# KiCad board SP110Duo.kicad_pcb (continued)
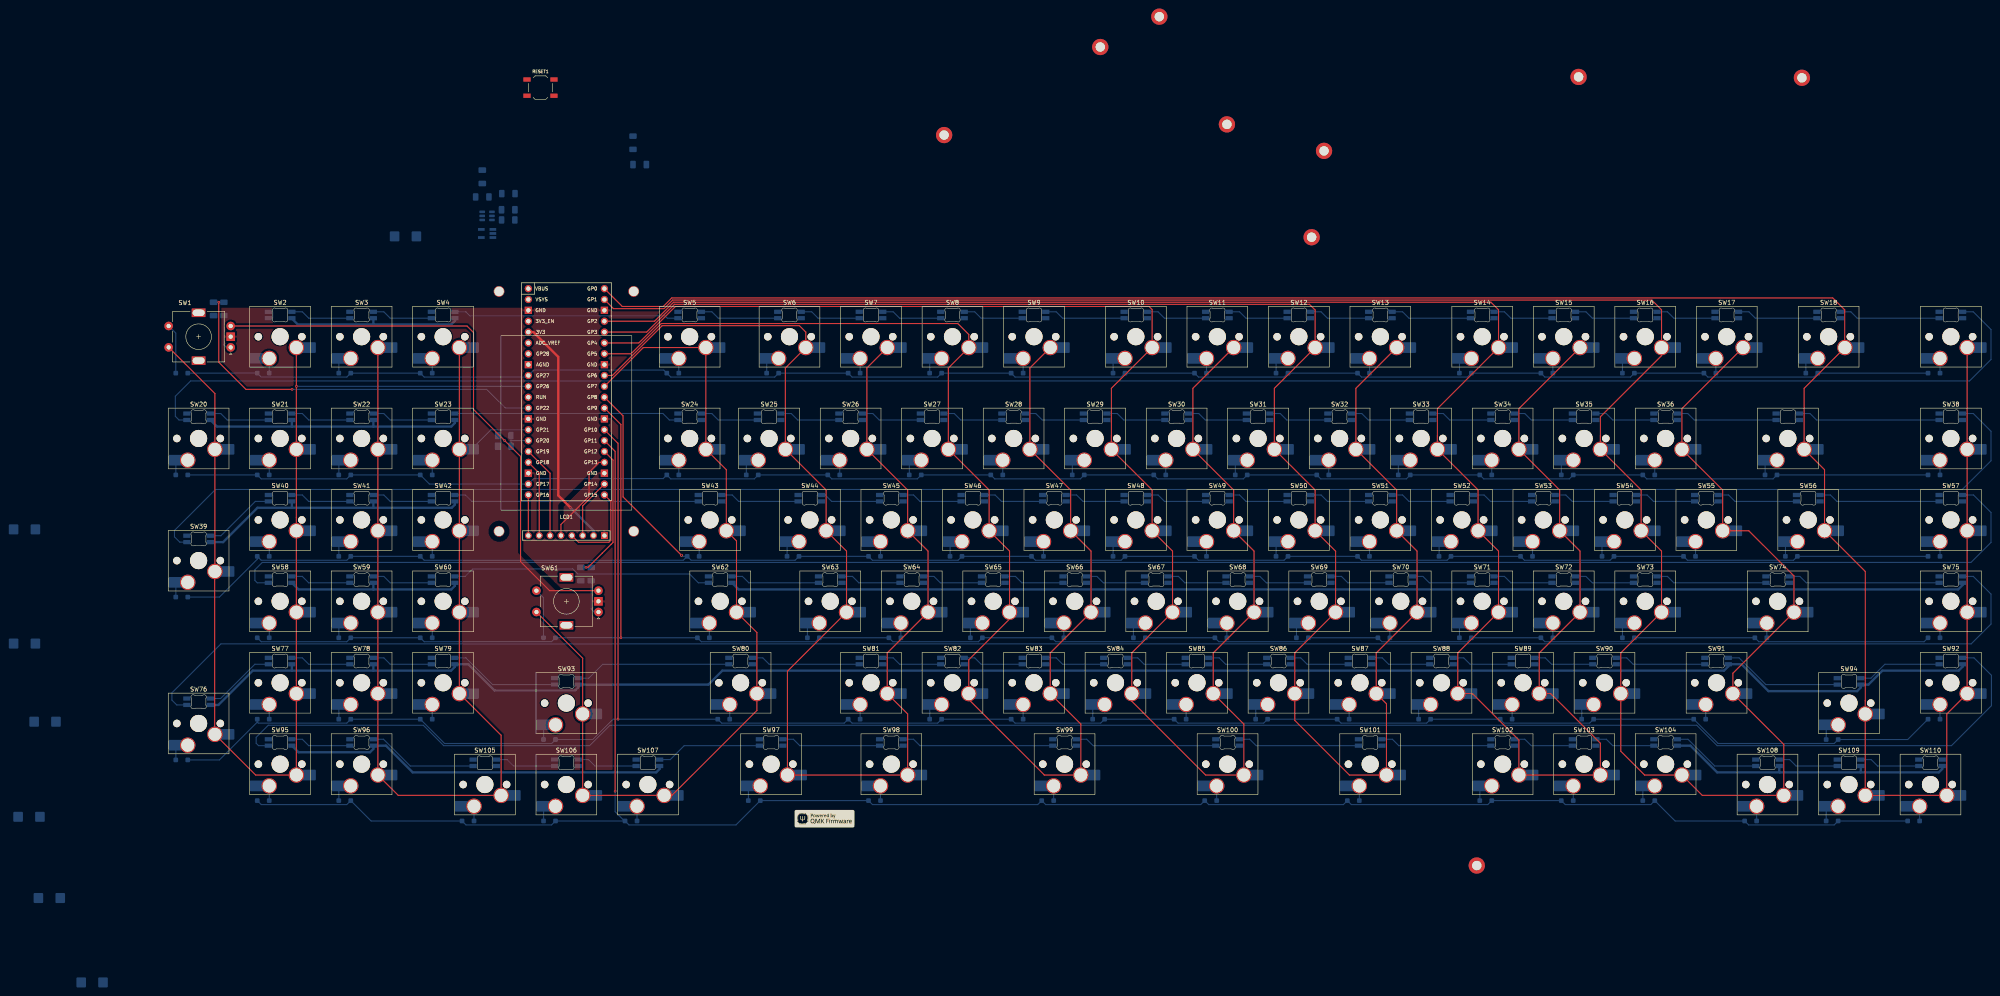
[diagram p0: board, top side]
## Nets
+3V3: LCD1.2 R7.2 U3.36
GND: C1.1 C2.1 C3.1 C4.2 C5.1 C6.1 C7.2 C8.2 C9.2 C10.2 C11.2 C12.2 C13.2 LCD1.1 R2.1 R3.2 RESET1.2 SW1.C SW2.6 SW3.6 SW4.6 SW5.6 SW6.6 SW7.6 SW8.6 SW9.6 SW10.6 SW11.6 SW12.6 SW13.6 SW14.6 SW15.6 SW16.6 SW17.6 SW18.6 SW19.6 SW20.6 SW21.6 SW22.6 SW23.6 SW24.6 SW25.6 SW26.6 SW27.6 SW28.6 SW29.6 SW30.6 SW31.6 SW32.6 SW33.6 SW34.6 SW35.6 SW36.6 SW37.6 SW38.6 SW39.6 SW40.6 SW41.6 SW42.6 SW43.6 SW44.6 SW45.6 SW46.6 SW47.6 SW48.6 SW49.6 SW50.6 SW51.6 SW52.6 SW53.6 SW54.6 SW55.6 SW56.6 SW57.6 SW58.6 SW59.6 SW60.6 SW61.C SW62.6 SW63.6 SW64.6 SW65.6 SW66.6 SW67.6 SW68.6 SW69.6 SW70.6 SW71.6 SW72.6 SW73.6 SW74.6 SW75.6 SW76.6 SW77.6 SW78.6 SW79.6 SW80.6 SW81.6 SW82.6 SW83.6 SW84.6 SW85.6 SW86.6 SW87.6 SW88.6 SW89.6 SW90.6 SW91.6 SW92.6 SW93.6 SW94.6 SW95.6 SW96.6 SW97.6 SW98.6 SW99.6 SW100.6 SW101.6 SW102.6 SW103.6 SW104.6 SW105.6 SW106.6 SW107.6 SW108.6 SW109.6 SW110.6 U1.2 U2.1 U2.3 U3.3 U3.8 U3.13 U3.18 U3.23 U3.28 U3.38
VCC: C1.2 R1.2 U1.1 U3.40
C_ILIM: R3.1 U1.5
COL0: SW1.S2 SW2.1 SW20.1 SW21.1 SW39.1 SW40.1 SW58.1 SW76.1 SW77.1 SW95.1 U3.31
COL1: SW3.1 SW4.1 SW22.1 SW23.1 SW41.1 SW42.1 SW59.1 SW60.1 SW78.1 SW79.1 SW96.1 SW105.1 U3.27
COL2: SW5.1 SW24.1 SW43.1 SW61.S2 SW62.1 SW80.1 SW93.1 SW106.1 SW107.1 U3.10
COL3: SW6.1 SW7.1 SW25.1 SW26.1 SW44.1 SW45.1 SW63.1 SW64.1 SW81.1 SW97.1 SW98.1 U3.9
COL4: SW8.1 SW9.1 SW27.1 SW28.1 SW46.1 SW47.1 SW65.1 SW66.1 SW82.1 SW83.1 SW99.1 U3.7
COL5: SW10.1 SW11.1 SW29.1 SW30.1 SW48.1 SW49.1 SW67.1 SW68.1 SW84.1 SW85.1 SW100.1 U3.6
COL6: SW12.1 SW13.1 SW31.1 SW32.1 SW50.1 SW51.1 SW69.1 SW70.1 SW86.1 SW87.1 SW101.1 U3.5
COL7: SW14.1 SW15.1 SW33.1 SW34.1 SW52.1 SW53.1 SW71.1 SW72.1 SW88.1 SW89.1 SW102.1 SW103.1 U3.4
COL8: SW16.1 SW17.1 SW35.1 SW36.1 SW54.1 SW55.1 SW73.1 SW74.1 SW90.1 SW91.1 SW104.1 SW108.1 U3.2
COL9: SW18.1 SW19.1 SW37.1 SW38.1 SW56.1 SW57.1 SW75.1 SW92.1 SW94.1 SW109.1 SW110.1 U3.1
ENC1_A: C3.2 R4.1 U3.29
ENC2_A: C5.2 R6.1 U3.16
ENC_B: C4.1 R5.1 U3.26
LCD_BL_PWM: LCD1.8 U3.21
LCD_CS: LCD1.7 U3.24
LCD_DC: LCD1.6 U3.25
LCD_MOSI/SDA: LCD1.4 U3.20
LCD_RESET: LCD1.5 U3.17
LCD_SCK/SCL: LCD1.3 U3.19
LED_DAT_3V3: U2.2 U3.34
LED_DAT_5V: SW2.5 U2.4
LED_EN: C6.2 R2.2 R7.1 U1.3
LED_NFAULT: R1.1 U1.4
LED_PWR: C2.2 C7.1 C8.1 C9.1 C10.1 C11.1 C12.1 C13.1 SW2.3 SW3.3 SW4.3 SW5.3 SW6.3 SW7.3 SW8.3 SW9.3 SW10.3 SW11.3 SW12.3 SW13.3 SW14.3 SW15.3 SW16.3 SW17.3 SW18.3 SW19.3 SW20.3 SW21.3 SW22.3 SW23.3 SW24.3 SW25.3 SW26.3 SW27.3 SW28.3 SW29.3 SW30.3 SW31.3 SW32.3 SW33.3 SW34.3 SW35.3 SW36.3 SW37.3 SW38.3 SW39.3 SW40.3 SW41.3 SW42.3 SW43.3 SW44.3 SW45.3 SW46.3 SW47.3 SW48.3 SW49.3 SW50.3 SW51.3 SW52.3 SW53.3 SW54.3 SW55.3 SW56.3 SW57.3 SW58.3 SW59.3 SW60.3 SW62.3 SW63.3 SW64.3 SW65.3 SW66.3 SW67.3 SW68.3 SW69.3 SW70.3 SW71.3 SW72.3 SW73.3 SW74.3 SW75.3 SW76.3 SW77.3 SW78.3 SW79.3 SW80.3 SW81.3 SW82.3 SW83.3 SW84.3 SW85.3 SW86.3 SW87.3 SW88.3 SW89.3 SW90.3 SW91.3 SW92.3 SW93.3 SW94.3 SW95.3 SW96.3 SW97.3 SW98.3 SW99.3 SW100.3 SW101.3 SW102.3 SW103.3 SW104.3 SW105.3 SW106.3 SW107.3 SW108.3 SW109.3 SW110.3 U1.6 U2.5
RESET: RESET1.1 U3.30
ROT1_A: R4.2 SW1.A
ROT2_A: R6.2 SW61.A
ROT_B: R5.2 SW1.B SW61.B
ROW0: D1.2 D2.1 D3.2 D4.1 D5.1 D6.2 D7.1 D8.2 D9.1 D10.2 D11.1 D12.2 D13.1 D14.2 D15.1 D16.2 D17.1 D18.2 D19.1 U3.32
ROW1: D20.2 D21.1 D22.2 D23.1 D24.1 D25.2 D26.1 D27.2 D28.1 D29.2 D30.1 D31.2 D32.1 D33.2 D34.1 D35.2 D36.1 D37.2 D38.1 U3.22
ROW2: D39.2 D40.1 D41.2 D42.1 D43.1 D44.2 D45.1 D46.2 D47.1 D48.2 D49.1 D50.2 D51.1 D52.2 D53.1 D54.2 D55.1 D56.2 D57.1 U3.11
ROW3: D58.1 D59.2 D60.1 D61.2 D62.1 D63.2 D64.1 D65.2 D66.1 D67.2 D68.1 D69.2 D70.1 D71.2 D72.1 D73.2 D74.1 D75.1 U3.12
ROW4: D76.2 D77.1 D78.2 D79.1 D80.1 D81.1 D82.2 D83.1 D84.2 D85.1 D86.2 D87.1 D88.2 D89.1 D90.2 D91.1 D92.1 D93.2 D94.2 U3.14
ROW5: D95.1 D96.2 D97.2 D98.1 D99.1 D100.1 D101.1 D102.2 D103.1 D104.2 D105.1 D106.2 D107.1 D108.1 D109.2 D110.1 U3.15
Net-(D1-K): D1.1 SW1.S1
Net-(D2-A): D2.2 SW2.2
Net-(D3-K): D3.1 SW3.2
Net-(D4-A): D4.2 SW4.2
Net-(D5-A): D5.2 SW5.2
Net-(D6-K): D6.1 SW6.2
Net-(D7-A): D7.2 SW7.2
Net-(D8-K): D8.1 SW8.2
Net-(D9-A): D9.2 SW9.2
Net-(D10-K): D10.1 SW10.2
Net-(D11-A): D11.2 SW11.2
Net-(D12-K): D12.1 SW12.2
Net-(D13-A): D13.2 SW13.2
Net-(D14-K): D14.1 SW14.2
Net-(D15-A): D15.2 SW15.2
Net-(D16-K): D16.1 SW16.2
Net-(D17-A): D17.2 SW17.2
Net-(D18-K): D18.1 SW18.2
Net-(D19-A): D19.2 SW19.2
Net-(D20-K): D20.1 SW20.2
Net-(D21-A): D21.2 SW21.2
Net-(D22-K): D22.1 SW22.2
Net-(D23-A): D23.2 SW23.2
Net-(D24-A): D24.2 SW24.2
Net-(D25-K): D25.1 SW25.2
Net-(D26-A): D26.2 SW26.2
Net-(D27-K): D27.1 SW27.2
Net-(D28-A): D28.2 SW28.2
Net-(D29-K): D29.1 SW29.2
Net-(D30-A): D30.2 SW30.2
Net-(D31-K): D31.1 SW31.2
Net-(D32-A): D32.2 SW32.2
Net-(D33-K): D33.1 SW33.2
Net-(D34-A): D34.2 SW34.2
Net-(D35-K): D35.1 SW35.2
Net-(D36-A): D36.2 SW36.2
Net-(D37-K): D37.1 SW37.2
Net-(D38-A): D38.2 SW38.2
Net-(D39-K): D39.1 SW39.2
Net-(D40-A): D40.2 SW40.2
Net-(D41-K): D41.1 SW41.2
Net-(D42-A): D42.2 SW42.2
Net-(D43-A): D43.2 SW43.2
Net-(D44-K): D44.1 SW44.2
Net-(D45-A): D45.2 SW45.2
Net-(D46-K): D46.1 SW46.2
Net-(D47-A): D47.2 SW47.2
Net-(D48-K): D48.1 SW48.2
Net-(D49-A): D49.2 SW49.2
Net-(D50-K): D50.1 SW50.2
Net-(D51-A): D51.2 SW51.2
Net-(D52-K): D52.1 SW52.2
Net-(D53-A): D53.2 SW53.2
Net-(D54-K): D54.1 SW54.2
Net-(D55-A): D55.2 SW55.2
Net-(D56-K): D56.1 SW56.2
Net-(D57-A): D57.2 SW57.2
Net-(D58-A): D58.2 SW58.2
Net-(D59-K): D59.1 SW59.2
Net-(D60-A): D60.2 SW60.2
Net-(D61-K): D61.1 SW61.S1
Net-(D62-A): D62.2 SW62.2
Net-(D63-K): D63.1 SW63.2
Net-(D64-A): D64.2 SW64.2
Net-(D65-K): D65.1 SW65.2
Net-(D66-A): D66.2 SW66.2
Net-(D67-K): D67.1 SW67.2
Net-(D68-A): D68.2 SW68.2
Net-(D69-K): D69.1 SW69.2
Net-(D70-A): D70.2 SW70.2
Net-(D71-K): D71.1 SW71.2
Net-(D72-A): D72.2 SW72.2
Net-(D73-K): D73.1 SW73.2
Net-(D74-A): D74.2 SW74.2
Net-(D75-A): D75.2 SW75.2
Net-(D76-K): D76.1 SW76.2
Net-(D77-A): D77.2 SW77.2
Net-(D78-K): D78.1 SW78.2
Net-(D79-A): D79.2 SW79.2
Net-(D80-A): D80.2 SW80.2
Net-(D81-A): D81.2 SW81.2
Net-(D82-K): D82.1 SW82.2
Net-(D83-A): D83.2 SW83.2
Net-(D84-K): D84.1 SW84.2
Net-(D85-A): D85.2 SW85.2
Net-(D86-K): D86.1 SW86.2
Net-(D87-A): D87.2 SW87.2
Net-(D88-K): D88.1 SW88.2
Net-(D89-A): D89.2 SW89.2
Net-(D90-K): D90.1 SW90.2
Net-(D91-A): D91.2 SW91.2
Net-(D92-A): D92.2 SW92.2
Net-(D93-K): D93.1 SW93.2
Net-(D94-K): D94.1 SW94.2
Net-(D95-A): D95.2 SW95.2
Net-(D96-K): D96.1 SW96.2
Net-(D97-K): D97.1 SW97.2
Net-(D98-A): D98.2 SW98.2
Net-(D99-A): D99.2 SW99.2
Net-(D100-A): D100.2 SW100.2
Net-(D101-A): D101.2 SW101.2
Net-(D102-K): D102.1 SW102.2
Net-(D103-A): D103.2 SW103.2
Net-(D104-K): D104.1 SW104.2
Net-(D105-A): D105.2 SW105.2
Net-(D106-K): D106.1 SW106.2
Net-(D107-A): D107.2 SW107.2
Net-(D108-A): D108.2 SW108.2
Net-(D109-K): D109.1 SW109.2
Net-(D110-A): D110.2 SW110.2
Net-(SW2-DOUT): SW2.4 SW3.5
Net-(SW3-DOUT): SW3.4 SW4.5
Net-(SW4-DOUT): SW4.4 SW5.5
Net-(SW5-DOUT): SW5.4 SW6.5
Net-(SW6-DOUT): SW6.4 SW7.5
Net-(SW7-DOUT): SW7.4 SW8.5
Net-(SW8-DOUT): SW8.4 SW9.5
Net-(SW10-DIN): SW9.4 SW10.5
Net-(SW10-DOUT): SW10.4 SW11.5
Net-(SW11-DOUT): SW11.4 SW12.5
Net-(SW12-DOUT): SW12.4 SW13.5
Net-(SW13-DOUT): SW13.4 SW14.5
Net-(SW14-DOUT): SW14.4 SW15.5
Net-(SW15-DOUT): SW15.4 SW16.5
Net-(SW16-DOUT): SW16.4 SW17.5
Net-(SW17-DOUT): SW17.4 SW18.5
Net-(SW18-DOUT): SW18.4 SW19.5
Net-(SW19-DOUT): SW19.4 SW20.5
Net-(SW20-DOUT): SW20.4 SW21.5
Net-(SW21-DOUT): SW21.4 SW22.5
Net-(SW22-DOUT): SW22.4 SW23.5
Net-(SW23-DOUT): SW23.4 SW24.5
Net-(SW24-DOUT): SW24.4 SW25.5
Net-(SW25-DOUT): SW25.4 SW26.5
Net-(SW26-DOUT): SW26.4 SW27.5
Net-(SW27-DOUT): SW27.4 SW28.5
Net-(SW28-DOUT): SW28.4 SW29.5
Net-(SW29-DOUT): SW29.4 SW30.5
Net-(SW30-DOUT): SW30.4 SW31.5
Net-(SW31-DOUT): SW31.4 SW32.5
Net-(SW32-DOUT): SW32.4 SW33.5
Net-(SW33-DOUT): SW33.4 SW34.5
Net-(SW34-DOUT): SW34.4 SW35.5
Net-(SW35-DOUT): SW35.4 SW36.5
Net-(SW36-DOUT): SW36.4 SW37.5
Net-(SW37-DOUT): SW37.4 SW38.5
Net-(SW38-DOUT): SW38.4 SW39.5
Net-(SW39-DOUT): SW39.4 SW40.5
Net-(SW40-DOUT): SW40.4 SW41.5
Net-(SW41-DOUT): SW41.4 SW42.5
Net-(SW42-DOUT): SW42.4 SW43.5
Net-(SW43-DOUT): SW43.4 SW44.5
Net-(SW44-DOUT): SW44.4 SW45.5
Net-(SW45-DOUT): SW45.4 SW46.5
Net-(SW46-DOUT): SW46.4 SW47.5
Net-(SW47-DOUT): SW47.4 SW48.5
Net-(SW48-DOUT): SW48.4 SW49.5
Net-(SW49-DOUT): SW49.4 SW50.5
Net-(SW50-DOUT): SW50.4 SW51.5
Net-(SW51-DOUT): SW51.4 SW52.5
Net-(SW52-DOUT): SW52.4 SW53.5
Net-(SW53-DOUT): SW53.4 SW54.5
Net-(SW54-DOUT): SW54.4 SW55.5
Net-(SW55-DOUT): SW55.4 SW56.5
Net-(SW56-DOUT): SW56.4 SW57.5
Net-(SW57-DOUT): SW57.4 SW58.5
Net-(SW58-DOUT): SW58.4 SW59.5
Net-(SW59-DOUT): SW59.4 SW60.5
Net-(SW60-DOUT): SW60.4 SW62.5
Net-(SW62-DOUT): SW62.4 SW63.5
Net-(SW63-DOUT): SW63.4 SW64.5
Net-(SW64-DOUT): SW64.4 SW65.5
Net-(SW65-DOUT): SW65.4 SW66.5
Net-(SW66-DOUT): SW66.4 SW67.5
Net-(SW67-DOUT): SW67.4 SW68.5
Net-(SW68-DOUT): SW68.4 SW69.5
Net-(SW69-DOUT): SW69.4 SW70.5
Net-(SW70-DOUT): SW70.4 SW71.5
Net-(SW71-DOUT): SW71.4 SW72.5
Net-(SW72-DOUT): SW72.4 SW73.5
Net-(SW73-DOUT): SW73.4 SW74.5
Net-(SW74-DOUT): SW74.4 SW75.5
Net-(SW75-DOUT): SW75.4 SW76.5
Net-(SW76-DOUT): SW76.4 SW77.5
Net-(SW77-DOUT): SW77.4 SW78.5
Net-(SW78-DOUT): SW78.4 SW79.5
Net-(SW79-DOUT): SW79.4 SW93.5
Net-(SW80-DIN): SW80.5 SW93.4
Net-(SW80-DOUT): SW80.4 SW81.5
Net-(SW81-DOUT): SW81.4 SW82.5
Net-(SW82-DOUT): SW82.4 SW83.5
Net-(SW83-DOUT): SW83.4 SW84.5
Net-(SW84-DOUT): SW84.4 SW85.5
Net-(SW85-DOUT): SW85.4 SW86.5
Net-(SW86-DOUT): SW86.4 SW87.5
Net-(SW87-DOUT): SW87.4 SW88.5
Net-(SW88-DOUT): SW88.4 SW89.5
Net-(SW89-DOUT): SW89.4 SW90.5
Net-(SW90-DOUT): SW90.4 SW91.5
Net-(SW91-DOUT): SW91.4 SW94.5
Net-(SW92-DIN): SW92.5 SW94.4
Net-(SW92-DOUT): SW92.4 SW95.5
Net-(SW95-DOUT): SW95.4 SW96.5
Net-(SW97-DOUT): SW97.4 SW98.5
Net-(SW98-DOUT): SW98.4 SW99.5
Net-(SW100-DIN): SW99.4 SW100.5
Net-(SW100-DOUT): SW100.4 SW101.5
Net-(SW101-DOUT): SW101.4 SW102.5
Net-(SW102-DOUT): SW102.4 SW103.5
Net-(SW103-DOUT): SW103.4 SW104.5
Net-(SW104-DOUT): SW104.4 SW108.5
Net-(SW105-DIN): SW96.4 SW105.5
Net-(SW105-DOUT): SW105.4 SW106.5
Net-(SW106-DOUT): SW106.4 SW107.5
Net-(SW107-DOUT): SW97.5 SW107.4
Net-(SW108-DOUT): SW108.4 SW109.5
Net-(SW109-DOUT): SW109.4 SW110.5

Pads without a net: H1 1; H2 1; H3 1; H4 1; H5 1; H6 1; H7 1; H8 1; H9 1; SW1 MP; SW61 MP; SW110 4; U3 33 35 37 39

## Via types
v1: diameter 0.6, hole 0.3, Top to Bottom, 11 vias

## Routing (per net, layer and track width the routed paths; a pad name or vN(x,y) marks a point on that pad's centre or on a via; arc(x,y) is an arc through that point)
+3V3: length 54.6
  Top w0.55: U3.36 80.05,102.42 85.86,96.61 85.86,64.21 v1(88.66,61.41)
  Bottom w0.55: LCD1.2 94.11,55.95 v1(88.66,61.41)
COL0: length 272.3
  Top w0.25: SW1.S2 5.6,88.03 5.6,74.99 SW20.1 5.6,74.98 5.6,46.41 SW39.1 5.56,46.35 5.56,8.36 SW76.1 15.13,-1.22 SW95.1 24.65,-1.21 24.65,1.85 24.66,1.85 24.66,17.83 SW77.1 24.65,17.84 24.65,20.9 24.66,20.9 24.66,36.88 SW58.1 24.65,36.89 24.65,39.95 24.66,39.95 24.66,55.93 SW40.1 24.65,55.94 24.65,59 24.66,59 24.66,74.98 SW21.1 24.65,74.99 24.65,78.05 24.66,78.05 24.66,98.79 SW2.1
  Bottom w0.25: U3.31 v1(24.66,89.72)
COL1: length 257.6
  Top w0.25: SW3.1 43.7,98.79 43.7,-1.21 SW96.1 48.47,-5.98 SW105.1 72.52,-5.98 72.52,8.07 SW79.1 62.75,17.84 62.75,98.79 SW4.1
  Bottom w0.25: U3.27 70.11,79.56 SW23.1 SW23.1
COL2: length 213.7
  Top w0.25: SW61.S2 91.57,26.12 91.57,13.07 SW93.1 91.56,13.05 91.56,-5.97 SW106.1 SW107.1 112.42,-5.98 132.29,13.89 SW80.1 132.29,17.84 132.29,32.12 SW62.1 127.52,36.89 127.52,53.55 SW43.1 125.14,55.94 125.14,70.22 SW24.1 120.36,75.01 120.36,98.76 SW5.1 105.74,98.79 96.67,89.72 U3.10
COL3: length 311.7
  Top w0.25: SW7.1 158,94.03 158,74.99 SW26.1 167.53,65.46 167.53,55.94 SW45.1 172.29,51.17 172.29,36.89 SW64.1 162.76,27.34 162.76,17.85 SW81.1 167.53,13.07 167.53,-1.21 SW98.1 SW97.1 139.43,-1.21 139.43,23.06 SW63.1 153.24,36.89 153.24,51.17 SW44.1 148.48,55.94 148.48,65.46 SW25.1 138.95,74.99 138.95,94.03 SW6.1 143.72,100.8 143.72,100.81 143.72,102.42 142.23,103.91 110.15,103.91 98.5,92.26 U3.9
COL4: length 334.7
  Top w0.25: SW9.1 196.1,94.03 196.1,74.99 SW28.1 205.63,65.46 205.63,55.94 SW47.1 210.39,51.17 210.39,36.89 SW66.1 200.86,27.34 200.86,17.85 SW83.1 208.01,10.69 208.01,-1.21 SW99.1 199.48,-1.22 181.82,16.44 SW82.1 181.82,17.84 181.82,25.74 191.35,35.27 SW65.1 191.34,36.89 191.34,51.17 SW46.1 186.58,55.94 186.58,65.46 SW27.1 177.05,74.99 177.05,94.03 SW8.1 181.82,98.8 181.82,101.85 179.26,104.41 109.94,104.41 102.87,97.34 U3.7
COL5: length 387.5
  Top w0.25: SW11.1 234.2,89.26 234.2,74.99 SW30.1 243.73,65.46 243.73,55.94 SW49.1 248.49,51.17 248.49,36.89 SW68.1 238.97,27.35 238.97,17.84 SW85.1 246.11,10.69 246.11,-1.21 SW100.1 237.18,-1.22 219.92,16.04 SW84.1 219.92,17.84 219.92,27.35 SW67.1 229.44,36.89 229.44,51.17 SW48.1 224.68,55.94 224.68,65.46 SW29.1 215.15,74.99 215.15,78.05 215.16,78.05 215.16,89.27 SW10.1 224.68,98.8 224.68,107.69 223.96,108.41 113.24,108.41 104.71,99.88 U3.6
COL6: length 420.8
  Top w0.25: SW13.1 272.3,89.26 272.3,74.99 SW32.1 281.83,65.46 281.83,55.94 SW51.1 286.59,51.17 286.59,36.89 SW70.1 277.06,27.34 277.06,17.85 SW87.1 279.45,15.45 279.45,-1.21 SW101.1 270.78,-1.22 258.02,11.54 SW86.1 258.02,17.84 258.02,27.35 SW69.1 267.54,36.89 267.54,39.95 267.56,39.96 267.56,51.16 SW50.1 262.78,55.94 262.78,65.46 SW31.1 253.25,74.99 253.25,89.26 SW12.1 262.78,98.8 262.78,107.59 261.46,108.91 113.03,108.91 106.54,102.42 U3.5
COL7: length 486.5
  Top w0.25: U3.4 108.37,104.96 112.82,109.41 303.86,109.41 305.64,107.62 305.64,98.8 SW14.1 291.36,84.5 291.36,78.05 291.35,78.05 291.35,74.99 SW33.1 300.86,65.48 300.86,55.96 SW52.1 305.64,51.17 305.64,36.89 SW71.1 296.12,27.35 296.12,17.84 SW88.1 299.53,17.83 310.4,6.96 310.4,-1.21 SW102.1 SW103.1 329.45,-1.21 329.45,6.21 317.84,17.83 SW89.1 315.16,17.85 315.16,27.34 SW72.1 324.69,36.89 324.69,51.17 SW53.1 319.93,55.94 319.93,65.46 SW34.1 310.4,74.99 310.4,84.5 SW15.1
COL8: length 547.2
  Top w0.25: U3.2 96.65,110.01 98.76,107.91 110.61,107.91 112.61,109.91 341.46,109.91 343.74,107.62 343.74,98.8 SW16.1 343.75,96.9 329.46,82.61 329.46,78.05 329.45,78.05 329.45,74.99 SW35.1 338.98,65.46 338.98,55.94 SW54.1 343.74,51.17 343.74,36.89 SW73.1 334.22,27.35 334.22,17.84 SW90.1 334.22,4.34 339.78,-1.22 SW104.1 353.27,-5.98 SW108.1 372.32,-5.98 372.32,5.93 SW91.1 360.41,17.84 360.41,22.59 SW74.1 374.7,36.89 374.7,45.37 364.13,55.93 SW55.1 358.03,55.94 358.03,65.46 SW36.1 348.5,74.99 348.5,84.5 SW17.1
COL9: length 542.9
  Top w0.25: U3.1 100.82,108.41 110.41,108.41 112.41,110.41 383.76,110.41 386.56,107.61 386.56,98.85 SW18.1 377.08,89.26 377.08,74.99 SW37.1 381.84,70.22 381.84,55.94 SW56.1 391.37,46.41 391.37,16.14 391.37,16.14 391.37,13.07 SW94.1 391.36,13.05 391.36,-5.97 SW109.1 SW110.1 410.42,-5.98 410.42,13.06 SW92.1 415.18,17.84 415.18,98.79 SW19.1
ENC1_A: length 93.3
  Top w0.25: v1(6.52,109.41) 6.52,95.35 12.86,89.01 v1(23.66,89.01)
  Bottom w0.25: R4.1 7.69,109.4 C3.2 ; U3.29 73.53,84.64 69.16,89.01 v1(23.66,89.01)
ENC2_A: length 33.2
  Top w0.25: U3.16 98.66,72.47 98.66,53.2 98.19,52.73 98.18,52.73 96.16,50.71 96.16,50.7 92.83,47.37 v1(92.36,47.37)
  Bottom w0.25: C5.2 93.55,47.37 R6.1
ENC_B: length 6.6
  Bottom w0.25: 74.81,77.01 74.81,75.72 C4.1 ; 74.81,77.01 R5.1 ; 74.81,77.01 74.82,77.02 U3.26
LCD_BL_PWM: length 9.5
  Top w0.25: U3.21 LCD1.8
LCD_CS: length 18.2
  Top w0.25: LCD1.7 81.41,69.4 U3.24
LCD_DC: length 21.8
  Top w0.25: U3.25 83.95,69.4 LCD1.6
LCD_MOSI/SDA: length 21.2
  Top w0.25: LCD1.4 90.61,53.23 97.68,53.23 98.16,53.71 98.16,62.81 U3.20
LCD_RESET: length 22.1
  Top w0.25: LCD1.5 86.49,57.41 93.06,63.97 93.06,69.61 95.39,71.94 U3.17
LCD_SCK/SCL: length 14.2
  Top w0.25: LCD1.3 91.57,61.78 U3.19
LED_PWR: length 1086.2
  Bottom w0.55: 42.66,80.31 60.86,80.31 61.7,81.15 SW23.3 ; 42.66,80.31 42.65,80.32 SW22.3 ; 42.66,80.31 23.66,80.31 ; 23.66,23.21 14.46,23.21 6.42,15.18 SW76.3 ; 23.66,23.21 23.6,23.27 SW77.3 ; 23.66,23.21 42.66,23.21 ; SW104.3 350.5,5.65 356.74,-0.59 371.37,-0.59 ; 42.66,23.21 60.81,23.21 61.7,24.1 61.7,24.2 ; 42.66,23.21 42.65,23.22 SW78.3 ; 42.66,61.31 60.96,61.31 61.7,62.05 SW42.3 ; 42.66,61.31 23.56,61.31 ; 42.66,61.31 42.65,61.32 SW41.3 ; 42.66,42.21 42.65,42.22 SW59.3 ; 42.66,42.21 60.86,42.21 61.7,43.05 SW60.3 ; 42.66,42.21 25.14,42.21 SW58.3 ; SW109.3 390.31,-0.54 390.26,-0.59 ; 23.56,61.31 23.6,61.35 SW40.3 ; 23.56,61.31 15.56,61.31 7.52,53.28 SW39.3 ; 371.37,-0.59 371.26,-0.49 SW108.3 ; 371.37,-0.59 390.26,-0.59 ; 42.76,104.21 60.86,104.21 61.7,105.05 SW4.3 ; 42.76,104.21 24.96,104.21 23.6,105.57 SW2.3 ; 42.76,104.21 42.65,104.32 SW3.3 ; 23.66,80.31 23.6,80.37 SW21.3 ; 23.66,80.31 6.09,80.31 SW20.3 ; SW107.3 109.56,0.21 108.76,-0.59 51.84,-0.59 45.6,5.65 SW96.3 42.65,4.9 41.86,4.11 25.14,4.11 SW95.3 ; 390.26,-0.59 408.56,-0.59 409.36,0.21 SW110.3 ; SW79.3 64.85,24.7 70.98,18.57 89.82,18.57 90.51,19.26 SW93.3 120.95,19.94 124.22,23.21 358.36,23.21 359.36,24.21 SW91.3 362.45,24.7 368.74,18.41 389.46,18.41 390.31,19.26 SW94.3 392.11,19.94 395.38,23.21 413.19,23.21 414.12,24.14 SW92.3 ; SW75.3 414.12,43.25 413.08,42.21 128.01,42.21 SW62.3
ROT1_A: length 8.7
  Bottom w0.25: R4.2 7.71,99.43 8.3,98.83 SW1.A
ROT2_A: length 8.6
  Bottom w0.25: SW61.A 94.26,36.92 93.56,37.62 R6.2
ROT_B: length 138.7
  Top w0.25: SW1.B 64.53,103.83 66.06,102.31 66.06,84.31 v1(73.36,77.01) 77.06,73.31 77.06,48.71 83.84,41.92 SW61.B
  Bottom w0.25: R5.2 72.16,78.21 v1(73.36,77.01)
ROW0: length 414.3
  Bottom w0.25: D19.1 D18.2 379.33,91.88 354.57,91.88 D17.1 D16.2 336.47,91.88 316.47,91.88 D15.1 D14.2 298.37,91.88 273.61,91.88 D13.1 D12.2 255.51,91.88 235.51,91.88 D11.1 D10.2 217.41,91.88 192.65,91.88 D9.1 175.47,92.81 174.55,91.88 154.55,91.88 D7.1 D6.2 136.45,91.88 112.16,91.88 D5.1 110.52,93.53 80.14,93.53 U3.32 78.5,91.88 54.53,91.88 D4.1 D3.2 36.43,91.88 16.43,91.88 D2.1 D1.2
ROW1: length 414.8
  Bottom w0.25: D24.1 110.37,68.13 80.14,68.13 U3.22 55.75,66.86 D23.1 ; D24.1 111.24,68.99 ; D24.1 112.16,68.07 131.68,68.07 D25.2 D26.1 149.78,68.07 169.78,68.07 D27.2 D28.1 187.88,68.07 207.88,68.07 D29.2 D30.1 225.98,68.07 245.98,68.07 D31.2 D32.1 264.08,68.07 284.08,68.07 D33.2 D34.1 302.18,68.07 322.18,68.07 D35.2 D36.1 340.28,68.07 369.81,68.07 D37.2 D38.1 ; D23.1 53.61,68.86 ; D23.1 D22.2 36.43,68.07 16.43,68.07 D21.1 D20.2
ROW2: length 463.9
  Top w0.25: U3.11 101.01,82.82 101.01,63.86 v1(114.66,50.21)
  Bottom w0.25: D39.2 6.67,40.42 15.51,49.26 D40.1 16.43,49.02 36.43,49.02 D41.2 D42.1 54.53,49.02 115.07,49.02 D43.1 ; v1(114.66,50.21) 114.92,49.95 D43.1 ; D43.1 116.92,49.02 141.21,49.02 D44.2 D45.1 159.31,49.02 179.31,49.02 D46.2 D47.1 197.41,49.02 217.41,49.02 D48.2 D49.1 235.51,49.02 255.51,49.02 D50.2 D51.1 273.61,49.02 293.61,49.02 D52.2 D53.1 311.71,49.02 331.71,49.02 D54.2 D55.1 349.81,49.02 374.57,49.02 D56.2 D57.1
ROW3: length 452.8
  Top w0.25: v1(100.51,30.9) 100.51,80.78 U3.12
  Bottom w0.25: D75.1 405.11,29.97 366.48,29.97 D74.1 D73.2 336.47,29.97 316.47,29.97 D72.1 D71.2 298.37,29.97 278.37,29.97 D70.1 D69.2 260.27,29.97 240.27,29.97 D68.1 D67.2 222.17,29.97 202.17,29.97 D66.1 D65.2 184.07,29.97 164.07,29.97 D64.1 D63.2 145.97,29.97 119.3,29.97 D62.1 D61.2 84.3,29.97 54.53,29.97 D60.1 D59.2 36.43,29.97 16.43,29.97 D58.1
ROW4: length 494.7
  Top w0.25: U3.14 99.83,76.38 v1(99.83,11.85) 99.86,11.87
  Bottom w0.25: D76.2 6.67,2.32 15.51,11.16 ; 15.51,11.16 D77.1 ; 15.51,11.16 15.75,10.92 36.43,10.92 D78.2 D79.1 59.3,6.16 84.3,6.16 D93.2 93.93,7.08 98.69,11.85 D80.1 124.07,10.92 152.7,10.92 D81.1 154.55,10.92 174.55,10.92 175.47,11.85 D83.1 192.65,10.92 212.65,10.92 D84.2 229.82,11.85 230.75,10.92 250.75,10.92 D86.2 D87.1 268.85,10.92 288.85,10.92 289.77,11.85 D89.1 306.95,10.92 326.95,10.92 D90.2 D91.1 356.95,6.16 384.1,6.16 D94.2 401.27,7.08 D92.1
ROW5: length 489.6
  Top w0.25: U3.15 99.16,74.51 v1(99.16,-4.99)
  Bottom w0.25: D95.1 16.43,-8.13 36.43,-8.13 D96.2 42.12,-11.97 D105.1 64.3,-12.89 84.3,-12.89 D106.2 D107.1 ; D110.1 D109.2 384.1,-12.89 364.1,-12.89 D108.1 346.92,-11.97 D104.2 341.23,-8.13 321.23,-8.13 D103.1 D102.2 303.13,-8.13 271.23,-8.13 D101.1 269.38,-8.13 237.89,-8.13 D100.1 236.04,-8.13 199.79,-8.13 D99.1 197.94,-8.13 159.31,-8.13 D98.1 D97.2 127.4,-12.89 102.4,-12.89 D107.1 ; D107.1 101.33,-11.97 99.16,-9.79 v1(99.16,-4.99)
Net-(D1-K): length 11.7
  Bottom w0.25: SW1.S1 -3.54,102.17 D1.1
Net-(D2-A): length 3.4
  Bottom w0.25: SW2.2 D2.2
Net-(D3-K): length 3.5
  Bottom w0.25: D3.1 34.58,92.83 SW3.2
Net-(D4-A): length 3.4
  Bottom w0.25: SW4.2 D4.2
Net-(D5-A): length 3.4
  Bottom w0.25: SW5.2 D5.2
Net-(D6-K): length 3.5
  Bottom w0.25: SW6.2 134.59,92.83 D6.1
Net-(D7-A): length 3.4
  Bottom w0.25: SW7.2 D7.2
Net-(D8-K): length 3.5
  Bottom w0.25: SW8.2 172.69,92.83 D8.1
Net-(D9-A): length 3.4
  Bottom w0.25: SW9.2 D9.2
Net-(D10-K): length 3.5
  Bottom w0.25: D10.1 215.55,92.83 SW10.2
Net-(D11-A): length 3.4
  Bottom w0.25: SW11.2 D11.2
Net-(D12-K): length 3.5
  Bottom w0.25: SW12.2 253.65,92.83 D12.1
Net-(D13-A): length 3.4
  Bottom w0.25: SW13.2 D13.2
Net-(D14-K): length 3.5
  Bottom w0.25: SW14.2 296.52,92.83 D14.1
Net-(D15-A): length 3.4
  Bottom w0.25: SW15.2 D15.2
Net-(D16-K): length 3.5
  Bottom w0.25: D16.1 334.62,92.83 SW16.2
Net-(D17-A): length 3.4
  Bottom w0.25: SW17.2 D17.2
Net-(D18-K): length 3.5
  Bottom w0.25: SW18.2 377.48,92.83 D18.1
Net-(D19-A): length 3.4
  Bottom w0.25: SW19.2 D19.2
Net-(D20-K): length 3.5
  Bottom w0.25: SW20.2 -3.52,69.02 D20.1
Net-(D21-A): length 3.4
  Bottom w0.25: SW21.2 D21.2
Net-(D22-K): length 3.5
  Bottom w0.25: SW22.2 34.58,69.02 D22.1
Net-(D23-A): length 3.4
  Bottom w0.25: SW23.2 D23.2
Net-(D24-A): length 3.4
  Bottom w0.25: SW24.2 D24.2
Net-(D25-K): length 3.5
  Bottom w0.25: D25.1 129.83,69.02 SW25.2
Net-(D26-A): length 3.4
  Bottom w0.25: SW26.2 D26.2
Net-(D27-K): length 3.5
  Bottom w0.25: D27.1 167.93,69.02 SW27.2
Net-(D28-A): length 3.4
  Bottom w0.25: SW28.2 D28.2
Net-(D29-K): length 3.5
  Bottom w0.25: SW29.2 206.03,69.02 D29.1
Net-(D30-A): length 3.4
  Bottom w0.25: D30.2 SW30.2
Net-(D31-K): length 3.5
  Bottom w0.25: D31.1 244.13,69.02 SW31.2
Net-(D32-A): length 3.4
  Bottom w0.25: SW32.2 D32.2
Net-(D33-K): length 3.5
  Bottom w0.25: D33.1 282.23,69.02 SW33.2
Net-(D34-A): length 3.4
  Bottom w0.25: D34.2 SW34.2
Net-(D35-K): length 3.5
  Bottom w0.25: D35.1 320.33,69.02 SW35.2
Net-(D36-A): length 3.4
  Bottom w0.25: SW36.2 D36.2
Net-(D37-K): length 3.5
  Bottom w0.25: D37.1 367.95,69.02 SW37.2
Net-(D38-A): length 3.4
  Bottom w0.25: SW38.2 D38.2
Net-(D39-K): length 3.5
  Bottom w0.25: SW39.2 -3.52,40.44 D39.1
Net-(D40-A): length 3.4
  Bottom w0.25: SW40.2 D40.2
Net-(D41-K): length 3.5
  Bottom w0.25: D41.1 34.58,49.97 SW41.2
Net-(D42-A): length 3.4
  Bottom w0.25: SW42.2 D42.2
Net-(D43-A): length 3.4
  Bottom w0.25: SW43.2 D43.2
Net-(D44-K): length 3.5
  Bottom w0.25: SW44.2 139.35,49.97 D44.1
Net-(D45-A): length 3.4
  Bottom w0.25: SW45.2 D45.2
Net-(D46-K): length 3.5
  Bottom w0.25: D46.1 177.45,49.97 SW46.2
Net-(D47-A): length 3.4
  Bottom w0.25: SW47.2 D47.2
Net-(D48-K): length 3.5
  Bottom w0.25: D48.1 215.55,49.97 SW48.2
Net-(D49-A): length 3.4
  Bottom w0.25: SW49.2 D49.2
Net-(D50-K): length 3.5
  Bottom w0.25: SW50.2 253.65,49.97 D50.1
Net-(D51-A): length 3.4
  Bottom w0.25: SW51.2 D51.2
Net-(D52-K): length 3.5
  Bottom w0.25: D52.1 291.75,49.97 SW52.2
Net-(D53-A): length 3.4
  Bottom w0.25: SW53.2 D53.2
Net-(D54-K): length 3.5
  Bottom w0.25: SW54.2 329.83,53.37 D54.1
Net-(D55-A): length 3.4
  Bottom w0.25: SW55.2 D55.2
Net-(D56-K): length 3.5
  Bottom w0.25: SW56.2 372.72,49.97 D56.1
Net-(D57-A): length 3.4
  Bottom w0.25: SW57.2 D57.2
Net-(D58-A): length 3.4
  Bottom w0.25: SW58.2 D58.2
Net-(D59-K): length 3.5
  Bottom w0.25: SW59.2 34.58,30.92 D59.1
Net-(D60-A): length 3.4
  Bottom w0.25: SW60.2 D60.2
Net-(D61-K): length 11.7
  Bottom w0.25: D61.1 82.42,40.26 SW61.S1
Net-(D62-A): length 3.4
  Bottom w0.25: D62.2 SW62.2
Net-(D63-K): length 3.5
  Bottom w0.25: SW63.2 144.1,34.32 D63.1
Net-(D64-A): length 3.4
  Bottom w0.25: D64.2 SW64.2
Net-(D65-K): length 3.5
  Bottom w0.25: SW65.2 182.2,34.32 D65.1
Net-(D66-A): length 3.4
  Bottom w0.25: D66.2 SW66.2
Net-(D67-K): length 3.5
  Bottom w0.25: D67.1 220.3,34.32 SW67.2
Net-(D68-A): length 3.4
  Bottom w0.25: D68.2 SW68.2
Net-(D69-K): length 3.5
  Bottom w0.25: SW69.2 258.42,30.92 D69.1
Net-(D70-A): length 3.4
  Bottom w0.25: D70.2 SW70.2
Net-(D71-K): length 3.5
  Bottom w0.25: D71.1 296.52,30.92 SW71.2
Net-(D72-A): length 3.4
  Bottom w0.25: SW72.2 D72.2
Net-(D73-K): length 3.5
  Bottom w0.25: D73.1 334.62,30.92 SW73.2
Net-(D74-A): length 3.4
  Bottom w0.25: SW74.2 D74.2
Net-(D75-A): length 3.4
  Bottom w0.25: SW75.2 D75.2
Net-(D76-K): length 3.5
  Bottom w0.25: D76.1 -3.52,2.34 SW76.2
Net-(D77-A): length 3.4
  Bottom w0.25: SW77.2 D77.2
Net-(D78-K): length 3.5
  Bottom w0.25: SW78.2 34.58,11.87 D78.1
Net-(D79-A): length 3.4
  Bottom w0.25: SW79.2 D79.2
Net-(D80-A): length 3.4
  Bottom w0.25: SW80.2 D80.2
Net-(D81-A): length 3.4
  Bottom w0.25: SW81.2 D81.2
Net-(D82-K): length 3.5
  Bottom w0.25: D82.1 172.69,11.87 SW82.2
Net-(D83-A): length 3.4
  Bottom w0.25: SW83.2 D83.2
Net-(D84-K): length 3.5
  Bottom w0.25: SW84.2 210.79,11.87 D84.1
Net-(D85-A): length 3.4
  Bottom w0.25: SW85.2 D85.2
Net-(D86-K): length 3.5
  Bottom w0.25: SW86.2 248.89,11.87 D86.1
Net-(D87-A): length 3.4
  Bottom w0.25: SW87.2 D87.2
Net-(D88-K): length 3.5
  Bottom w0.25: SW88.2 286.97,15.27 D88.1
Net-(D89-A): length 3.4
  Bottom w0.25: SW89.2 D89.2
Net-(D90-K): length 3.5
  Bottom w0.25: D90.1 325.09,11.87 SW90.2
Net-(D91-A): length 3.4
  Bottom w0.25: SW91.2 D91.2
Net-(D92-A): length 3.4
  Bottom w0.25: SW92.2 D92.2
Net-(D93-K): length 3.5
  Bottom w0.25: SW93.2 82.44,7.1 D93.1
Net-(D94-K): length 3.5
  Bottom w0.25: D94.1 382.24,7.1 SW94.2
Net-(D95-A): length 3.4
  Bottom w0.25: SW95.2 D95.2
Net-(D96-K): length 3.5
  Bottom w0.25: D96.1 34.58,-7.18 SW96.2
Net-(D97-K): length 3.5
  Bottom w0.25: SW97.2 130.31,-7.18 D97.1
Net-(D98-A): length 3.4
  Bottom w0.25: SW98.2 D98.2
Net-(D99-A): length 3.4
  Bottom w0.25: SW99.2 D99.2
Net-(D100-A): length 3.4
  Bottom w0.25: SW100.2 D100.2
Net-(D101-A): length 3.4
  Bottom w0.25: SW101.2 D101.2
Net-(D102-K): length 3.5
  Bottom w0.25: SW102.2 301.28,-7.18 D102.1
Net-(D103-A): length 3.4
  Bottom w0.25: D103.2 SW103.2
Net-(D104-K): length 3.5
  Bottom w0.25: SW104.2 339.38,-7.18 D104.1
Net-(D105-A): length 3.4
  Bottom w0.25: SW105.2 D105.2
Net-(D106-K): length 3.5
  Bottom w0.25: SW106.2 82.44,-11.95 D106.1
Net-(D107-A): length 3.4
  Bottom w0.25: SW107.2 D107.2
Net-(D108-A): length 3.4
  Bottom w0.25: 365.97,-11.97 365.97,-8.52
Net-(D109-K): length 3.5
  Bottom w0.25: SW109.2 382.24,-11.95 D109.1
Net-(D110-A): length 3.4
  Bottom w0.25: SW110.2 D110.2
Net-(SW2-DOUT): length 14.2
  Bottom w0.25: SW3.5 27.54,105.66 26.04,107.16 SW2.4
Net-(SW3-DOUT): length 14.2
  Bottom w0.25: SW3.4 45.09,107.16 46.59,105.66 SW4.5
Net-(SW4-DOUT): length 52.7
  Bottom w0.25: SW5.5 111.35,105.66 110.79,106.23 65.19,106.23 64.25,107.16 SW4.4
Net-(SW5-DOUT): length 18.5
  Bottom w0.25: SW5.4 121.76,107.16 123.26,105.66 SW6.5
Net-(SW6-DOUT): length 14.2
  Bottom w0.25: SW6.4 145.1,107.16 146.6,105.66 SW7.5
Net-(SW7-DOUT): length 14.2
  Bottom w0.25: SW7.4 164.15,107.16 165.65,105.66 SW8.5
Net-(SW8-DOUT): length 14.2
  Bottom w0.25: SW9.5 184.7,105.66 183.2,107.16 SW8.4
Net-(SW10-DIN): length 18.9
  Bottom w0.25: SW10.5 203.75,105.66 202.25,107.16 SW9.4
Net-(SW10-DOUT): length 14.2
  Bottom w0.25: SW11.5 227.56,105.66 226.06,107.16 SW10.4
Net-(SW11-DOUT): length 14.2
  Bottom w0.25: SW11.4 245.11,107.16 246.61,105.66 SW12.5
Net-(SW12-DOUT): length 14.2
  Bottom w0.25: SW12.4 264.16,107.16 265.66,105.66 SW13.5
Net-(SW13-DOUT): length 18.9
  Bottom w0.25: SW13.4 283.21,107.16 284.71,105.66 SW14.5
Net-(SW14-DOUT): length 14.2
  Bottom w0.25: SW15.5 308.52,105.66 307.02,107.16 SW14.4
Net-(SW15-DOUT): length 14.2
  Bottom w0.25: SW16.5 327.57,105.66 326.07,107.16 SW15.4
Net-(SW16-DOUT): length 14.2
  Bottom w0.25: SW16.4 345.12,107.16 346.62,105.66 SW17.5
Net-(SW17-DOUT): length 18.9
  Bottom w0.25: SW18.5 365.67,105.66 364.17,107.16 SW17.4
Net-(SW18-DOUT): length 23.7
  Bottom w0.25: SW19.5 389.49,105.66 387.99,107.16 SW18.4
Net-(SW19-DOUT): length 451.1
  Bottom w0.25: SW20.5 -2.79,81.85 -3.64,82.71 -3.64,87.41 -0.06,90.99 415.74,90.99 420.76,96.01 420.76,103.01 416.6,107.16 SW19.4
Net-(SW20-DOUT): length 14.2
  Bottom w0.25: SW20.4 6.99,83.35 8.49,81.85 SW21.5
Net-(SW21-DOUT): length 14.2
  Bottom w0.25: SW22.5 27.54,81.85 26.04,83.35 SW21.4
Net-(SW22-DOUT): length 14.2
  Bottom w0.25: SW22.4 45.09,83.35 46.59,81.85 SW23.5
Net-(SW23-DOUT): length 52.8
  Bottom w0.25: SW24.5 111.83,81.85 110.31,83.37 61.7,83.37
Net-(SW24-DOUT): length 13.7
  Bottom w0.25: SW24.4 121.76,83.35 123.26,81.85 SW25.5
Net-(SW25-DOUT): length 14.2
  Bottom w0.25: SW25.4 140.34,83.35 141.84,81.85 SW26.5
Net-(SW26-DOUT): length 14.2
  Bottom w0.25: SW27.5 160.89,81.85 159.39,83.35 SW26.4
